# EAGLE board Mk4 Final a Panel score (EAGLE 9.0.1), part 6 of 24 (continued)
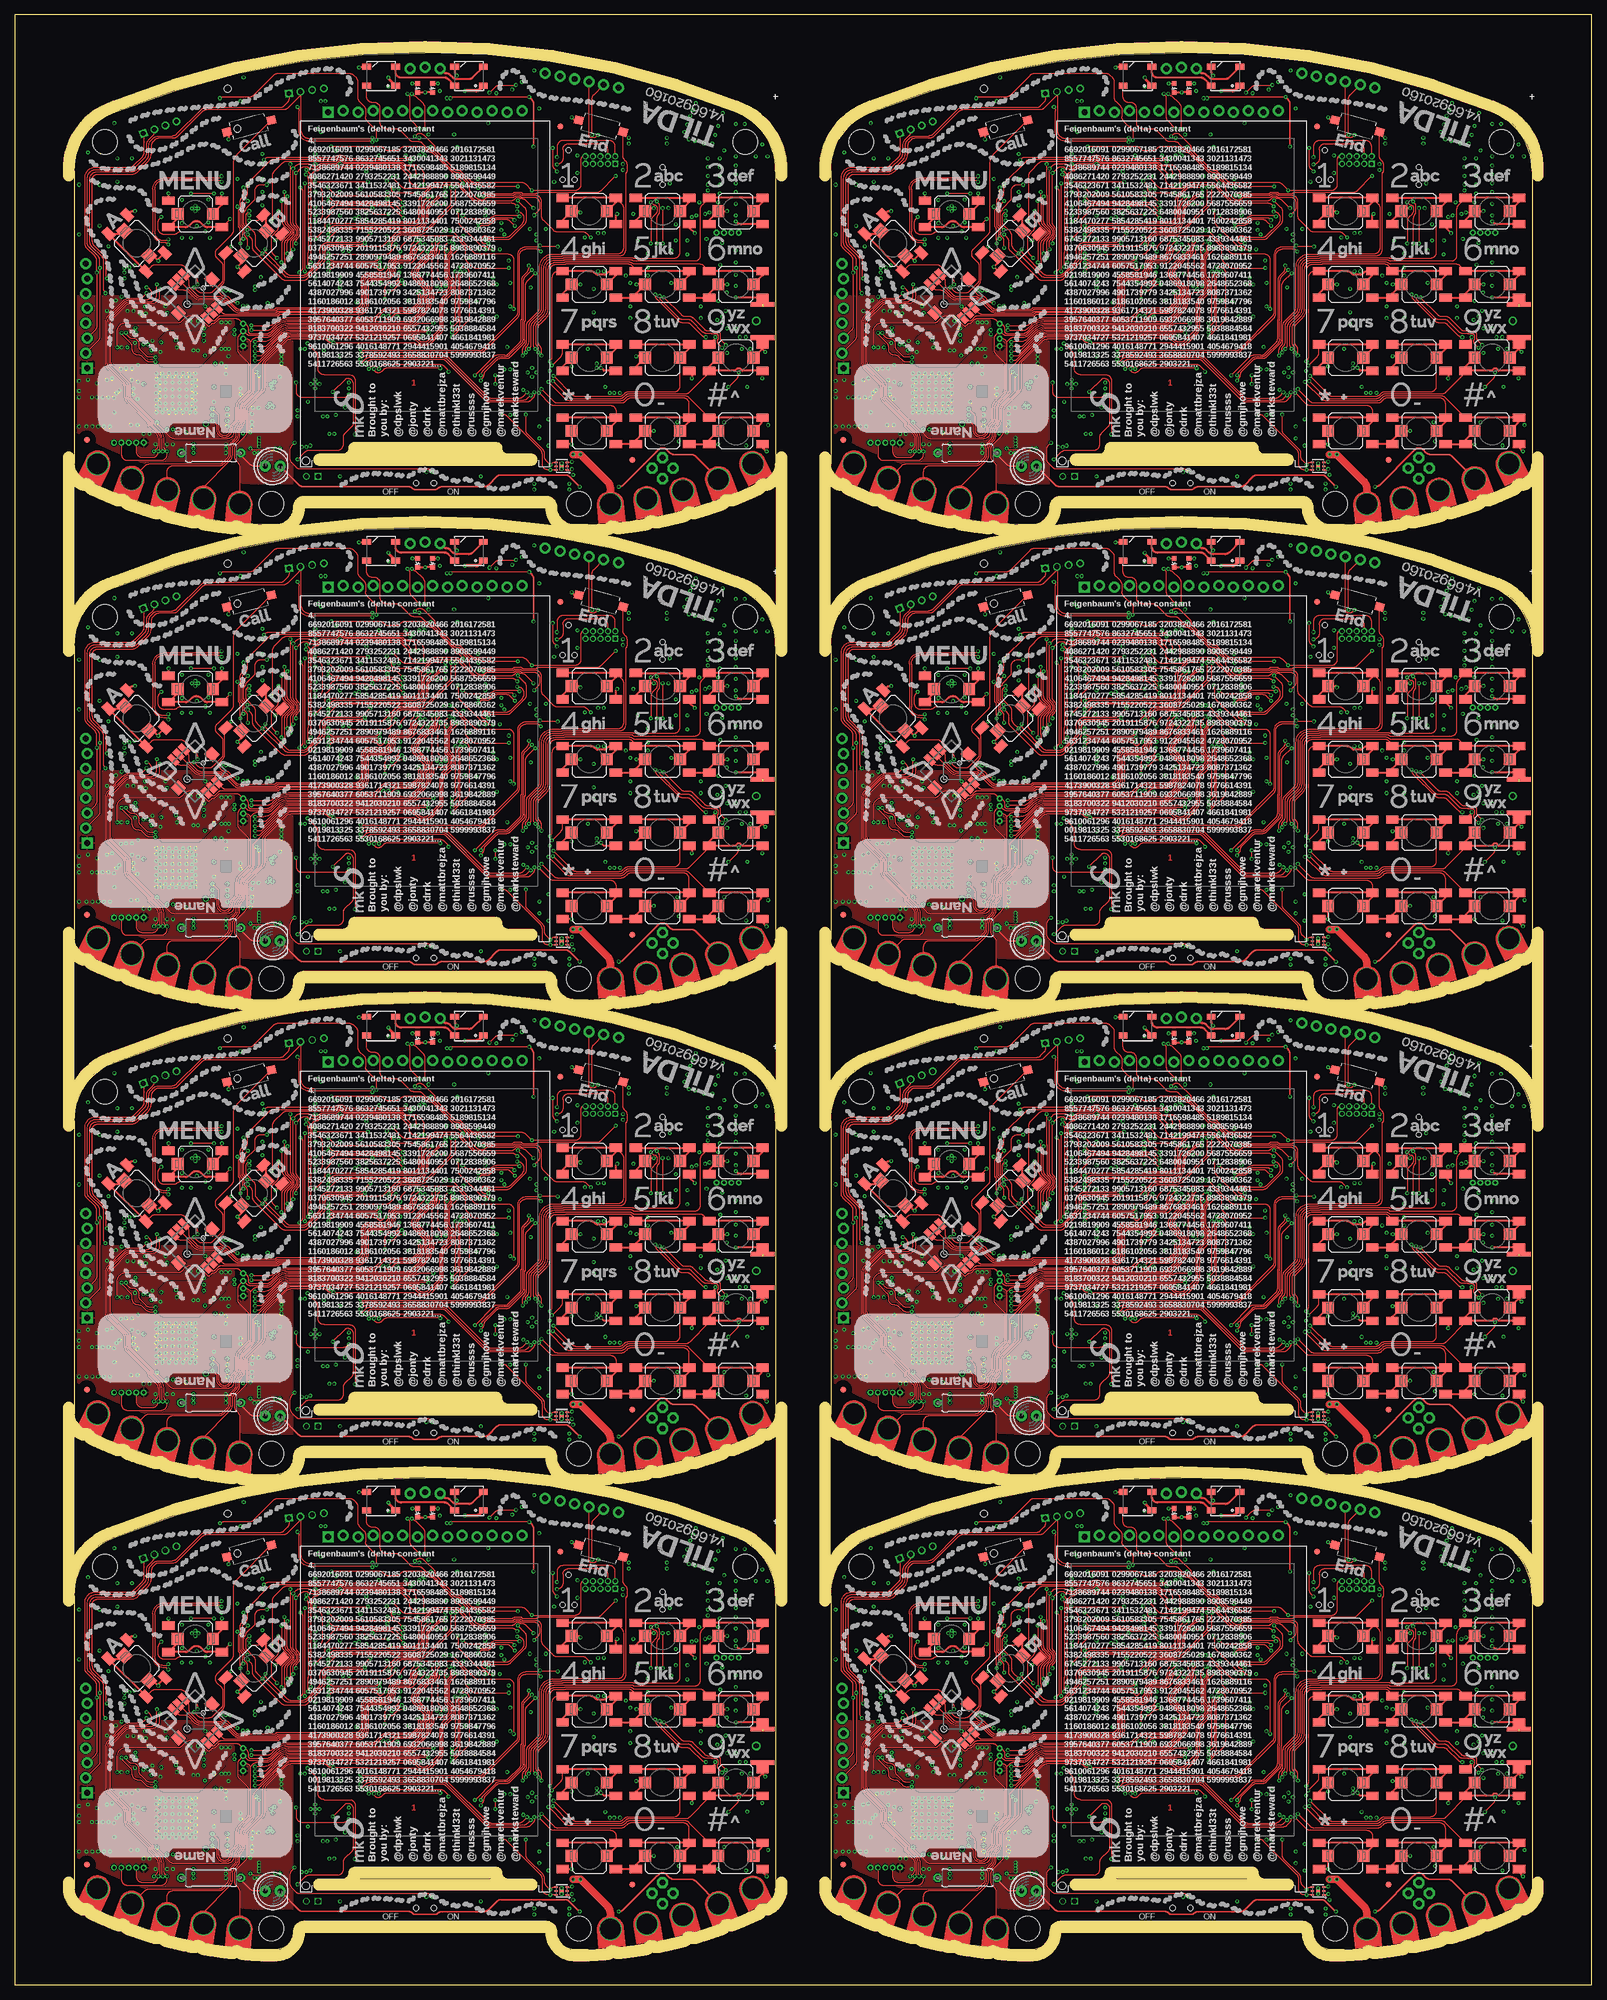
[diagram p0: board, top side]
## Tracks (layer width: path | path; a pad name or v marks a point on that pad's centre or on a via) (continued)
3V5  (via drill 0.3)
  Top 0.2: IC88.1 94.69,177.35 arc45 v95.05,177.5
  Top 0.3: SW5.COM 33.58,204.17 v32.5,205.25
  Bottom 0.15: v84.5,186.75 C534.1 84,187.5 arc-90 83.5,188 83.5,188.16 arc-90 IC86.5
  Bottom 0.2: IC74.9 73,211.75 C447.2 | IC74.8 73.4,214.19 arc-45 73.55,214.55 v73.75,214.75 73.8,214.7 IC74.7 | IC74.16 70.2,212.01 arc45 70.35,211.65 C446.2 v70.5,210.75 | IC74.47 61.46,220.4 arc45 C444.2 | IC74.113 78.14,220.8 arc45 78.84,221.09 C443.2 | IC74.79 69.4,229.44 arc45 69.11,230.14 C445.2 | IC74.69 65.4,227.86 arc-45 v65.25,227.5 65.15,227.6 arc-45 65,227.96 IC74.68 | 30.75,195.28 IC83.47 | IC74.90 73.8,227.55 v73.75,227.5 | IC74.51 v61,222 61.11,222.11 arc-45 61.81,222.4 IC74.52 | IC74.39 v63.5,217.2 | IC74.28 65.4,212.35 arc90 v65.75,212 arc90 66.2,212.45 IC74.26 | R327.1 v77.5,213.5 | IC74.122 76.62,217.2 arc-45 v76.5,217.25 | v95.05,177.5 C536.1 | IC74.101 78.95,225.6 v79.1,225.45 | R340.2 v82.75,215 | R339.2 83.07,217.32 arc-45 v83.5,217.5 | R378.1 18.5,207.5 arc-45 v18.25,206.9
  Bottom 0.25: J41.41 62.25,206 | J41.40 62.75,205.29 arc45 62.6,205.65 62.25,206 | J41.42 61.75,205.29 arc-45 61.9,205.65 62.25,206 | J41.35 v65.25,203.5 | J41.1 v82.25,203.5 | J41.8 v78.75,206 | J41.7 79.25,205.5 v78.75,206 | J41.9 78.25,205.5 v78.75,206 | C447.2 73.25,210.12 C448.2 73.5,209.62 v73.5,208.75 | v60,220.1 C444.2 | v80.25,221.75 C443.2 | v69,231 C445.2 | R322.2 v69,234 | R323.2 v60,228.25 | C521.1 30.16,196.5 arc45 29.46,196.21 arc45 29.25,195.71 IC83.44 | IC83.39 26.75,197.55 C522.1 | IC83.37 25.75,197.35 C520.1 | C523.1 v26,184.25 26.46,184.71 arc45 26.75,185.41 IC83.10 | C524.1 v34,191.5 33.9,191.6 arc45 33.54,191.75 IC83.54 | IC85.21 C455.2 | v84,198.3 R386.2 | JP39.8 72.35,239.71 arc45 72.5,240.06 C437.2 | IC82.6 31.12,219.03 v31.05,218.95 C509.1
  Bottom 0.3: 31.22,195.75 30.75,195.28 | R385.2 v19.25,198.25 | JP37.1 95.63,230.63 v96,231 | IC81.14 104.81,227.44 R368.2 C496.2 v103.75,228.5 | IC76.8 79.35,214.15 C436.2 v79.25,215 | R328.1 v88,208.5 | C462.2 52.43,210.25 IC73.27 52.33,210.25 v51.25,210.25 | v42.25,222.5 arc-45 41.77,222.3 IC73.43 39.8,222.3 C458.2 | v42.25,227 42.15,227.1 IC73.49 39.85,227.1 C461.2 | v51.25,229.5 IC73.3 C456.2 | v51.25,231.25 51.4,231.1 IC73.1 53.65,231.1 C460.2 | v51.25,224.75 51.3,224.7 IC73.9 53.7,224.7 C457.2 | v51.25,220.75 51.3,220.7 IC73.14 53.7,220.7 C459.2 | C477.2 v36,202.5 | C477.2 36.75,203 v36.75,202.5 | C477.2 35.25,203 v35.25,202.5 | v89,217.5 R362.2 | C535.1 R372.1 | R338.2 R337.2 v55.3,216.75 | C520.1 v24.85,197.5 | C438.2 78.89,236.61 JP39.11 | v90.6,218.45 C495.2 90.03,218.72 IC80.8 | J46.7 J46.3 | J48.7 J48.3 | IC89.5 C539.1 v88.6,175
  Bottom 0.4: 31.22,195.75 32.19,195.75 arc45 32.89,196.04 C525.1 33.6,197.39 arc-45 33.75,197.75 v34,198 | v31.25,197.75 31.25,197.66 arc-45 30.96,196.96 30.7,196.7 C521.1 30.5,196.7 v30.5,197.75 | C522.1 27.1,197.7 v27.65,198.25 | v36.25,187.75 R380.2 | v36.25,185.75 R381.2 | v26,204.15 26.5,204.15 arc90 27.5,205.15 C510.2 27.5,205.53 arc45 27.21,206.24 IC84.8 | R379.2 v22.25,205.25 | v84.5,194.5 C455.2 | v38.95,183.6 R372.1 | C478.2 v30.5,181 | C478.2 31,181.75 v30.5,181.75 | C478.2 31,180.25 v30.5,180.25 | IC90.1 97.05,178 C540.1 95.96,178 arc45 95.26,177.71 v95.05,177.5 | TP92.TP 43.55,189.95 v43.55,188.65
  Bottom 0.5: C439.2 87.14,238 JP39.14
  other vias: 62.5,209.25 43.15,188.15 43.95,188.15 44.3,192.35 44,191.35 43.7,191.95
  pour 3V3@2 (isolate 0.254, rank 6): 10.2,230.5 10.2,177 arc31 42,168 44.7,168 arc90 47.5,170.8 arc-90 49.5,172.8 90.5,172.8 arc-90 92.5,170.8 arc90 95.3,168 98,168 arc31 129.8,177 129.8,200.5 123.5,200.5 123.5,230.5 129.8,230.5 arc64 123.25,238.25 arc24 70,248.5 arc24 16.75,238.25 arc55
  pour Bottom (no thermals): 62.25,208 62.25,209.3 62.45,209.5 62.8,209.5 63,209.3 63,207.75 62.5,207.25 62.5,205.75 62,205.75 62,207.75
  pour Bottom (no thermals): 46.3,183.65 44.75,183.65 44.35,184.05 arc45 43.99,184.2 42.85,184.2 42.85,191.39 arc-45 43,191.75 43.85,192.6 arc-45 44.21,192.75 44.25,192.75 arc-90 44.75,192.25 44.75,192.11 arc-45 44.6,191.75 44.45,191.6 arc45 44.3,191.24 44.3,185.4 arc90 44.8,184.9 45.8,184.9 arc-90 46.3,184.4
  pour Top: 34.35,202.85 32.65,201.15 arc-45 32.29,201 26.41,201 arc45 25.71,200.71 24.79,199.79 arc45 24.5,199.09 24.5,196 arc90 25.5,195 31.09,195 arc45 31.79,195.29 35.71,199.21 arc45 36,199.91 36,200.29 arc-45 36.15,200.65 37.35,201.85 arc45 37.5,202.21 37.5,202.5 arc90 37,203 34.71,203 arc45
3V6  (via drill 0.3)
  Top 0.2: IC106.1 223.69,177.35 arc45 v224.05,177.5
  Top 0.3: SW6.COM 162.58,204.17 v161.5,205.25
  Bottom 0.15: v213.5,186.75 C642.1 213,187.5 arc-90 212.5,188 212.5,188.16 arc-90 IC104.5
  Bottom 0.2: IC92.9 202,211.75 C555.2 | IC92.8 202.4,214.19 arc-45 202.55,214.55 v202.75,214.75 202.8,214.7 IC92.7 | IC92.16 199.2,212.01 arc45 199.35,211.65 C554.2 v199.5,210.75 | IC92.47 190.46,220.4 arc45 C552.2 | IC92.113 207.14,220.8 arc45 207.84,221.09 C551.2 | IC92.79 198.4,229.44 arc45 198.11,230.14 C553.2 | IC92.69 194.4,227.86 arc-45 v194.25,227.5 194.15,227.6 arc-45 194,227.96 IC92.68 | 159.75,195.28 IC101.47 | IC92.90 202.8,227.55 v202.75,227.5 | IC92.51 v190,222 190.11,222.11 arc-45 190.81,222.4 IC92.52 | IC92.39 v192.5,217.2 | IC92.28 194.4,212.35 arc90 v194.75,212 arc90 195.2,212.45 IC92.26 | R405.1 v206.5,213.5 | IC92.122 205.62,217.2 arc-45 v205.5,217.25 | v224.05,177.5 C644.1 | IC92.101 207.95,225.6 v208.1,225.45 | R418.2 v211.75,215 | R417.2 212.07,217.32 arc-45 v212.5,217.5 | R456.1 147.5,207.5 arc-45 v147.25,206.9
  Bottom 0.25: J51.41 191.25,206 | J51.40 191.75,205.29 arc45 191.6,205.65 191.25,206 | J51.42 190.75,205.29 arc-45 190.9,205.65 191.25,206 | J51.35 v194.25,203.5 | J51.1 v211.25,203.5 | J51.8 v207.75,206 | J51.7 208.25,205.5 v207.75,206 | J51.9 207.25,205.5 v207.75,206 | C555.2 202.25,210.12 C556.2 202.5,209.62 v202.5,208.75 | v189,220.1 C552.2 | v209.25,221.75 C551.2 | v198,231 C553.2 | R400.2 v198,234 | R401.2 v189,228.25 | C629.1 159.16,196.5 arc45 158.46,196.21 arc45 158.25,195.71 IC101.44 | IC101.39 155.75,197.55 C630.1 | IC101.37 154.75,197.35 C628.1 | C631.1 v155,184.25 155.46,184.71 arc45 155.75,185.41 IC101.10 | C632.1 v163,191.5 162.9,191.6 arc45 162.54,191.75 IC101.54 | IC103.21 C563.2 | v213,198.3 R464.2 | JP48.8 201.35,239.71 arc45 201.5,240.06 C545.2 | IC100.6 160.12,219.03 v160.05,218.95 C617.1
  Bottom 0.3: 160.22,195.75 159.75,195.28 | R463.2 v148.25,198.25 | JP46.1 224.63,230.63 v225,231 | IC99.14 233.81,227.44 R446.2 C604.2 v232.75,228.5 | IC94.8 208.35,214.15 C544.2 v208.25,215 | R406.1 v217,208.5 | C570.2 181.43,210.25 IC91.27 181.33,210.25 v180.25,210.25 | v171.25,222.5 arc-45 170.77,222.3 IC91.43 168.8,222.3 C566.2 | v171.25,227 171.15,227.1 IC91.49 168.85,227.1 C569.2 | v180.25,229.5 IC91.3 C564.2 | v180.25,231.25 180.4,231.1 IC91.1 182.65,231.1 C568.2 | v180.25,224.75 180.3,224.7 IC91.9 182.7,224.7 C565.2 | v180.25,220.75 180.3,220.7 IC91.14 182.7,220.7 C567.2 | C585.2 v165,202.5 | C585.2 165.75,203 v165.75,202.5 | C585.2 164.25,203 v164.25,202.5 | v218,217.5 R440.2 | C643.1 R450.1 | R416.2 R415.2 v184.3,216.75 | C628.1 v153.85,197.5 | C546.2 207.89,236.61 JP48.11 | v219.6,218.45 C603.2 219.03,218.72 IC98.8 | J56.7 J56.3 | J58.7 J58.3 | IC107.5 C647.1 v217.6,175
  Bottom 0.4: 160.22,195.75 161.19,195.75 arc45 161.89,196.04 C633.1 162.6,197.39 arc-45 162.75,197.75 v163,198 | v160.25,197.75 160.25,197.66 arc-45 159.96,196.96 159.7,196.7 C629.1 159.5,196.7 v159.5,197.75 | C630.1 156.1,197.7 v156.65,198.25 | v165.25,187.75 R458.2 | v165.25,185.75 R459.2 | v155,204.15 155.5,204.15 arc90 156.5,205.15 C618.2 156.5,205.53 arc45 156.21,206.24 IC102.8 | R457.2 v151.25,205.25 | v213.5,194.5 C563.2 | v167.95,183.6 R450.1 | C586.2 v159.5,181 | C586.2 160,181.75 v159.5,181.75 | C586.2 160,180.25 v159.5,180.25 | IC108.1 226.05,178 C648.1 224.96,178 arc45 224.26,177.71 v224.05,177.5 | TP111.TP 172.55,189.95 v172.55,188.65
  Bottom 0.5: C547.2 216.14,238 JP48.14
  other vias: 191.5,209.25 172.15,188.15 172.95,188.15 173.3,192.35 173,191.35 172.7,191.95
  pour 3V3@2 (isolate 0.254, rank 6): 139.2,230.5 139.2,177 arc31 171,168 173.7,168 arc90 176.5,170.8 arc-90 178.5,172.8 219.5,172.8 arc-90 221.5,170.8 arc90 224.3,168 227,168 arc31 258.8,177 258.8,200.5 252.5,200.5 252.5,230.5 258.8,230.5 arc64 252.25,238.25 arc24 199,248.5 arc24 145.75,238.25 arc55
  pour Bottom (no thermals): 191.25,208 191.25,209.3 191.45,209.5 191.8,209.5 192,209.3 192,207.75 191.5,207.25 191.5,205.75 191,205.75 191,207.75
  pour Bottom (no thermals): 175.3,183.65 173.75,183.65 173.35,184.05 arc45 172.99,184.2 171.85,184.2 171.85,191.39 arc-45 172,191.75 172.85,192.6 arc-45 173.21,192.75 173.25,192.75 arc-90 173.75,192.25 173.75,192.11 arc-45 173.6,191.75 173.45,191.6 arc45 173.3,191.24 173.3,185.4 arc90 173.8,184.9 174.8,184.9 arc-90 175.3,184.4
  pour Top: 163.35,202.85 161.65,201.15 arc-45 161.29,201 155.41,201 arc45 154.71,200.71 153.79,199.79 arc45 153.5,199.09 153.5,196 arc90 154.5,195 160.09,195 arc45 160.79,195.29 164.71,199.21 arc45 165,199.91 165,200.29 arc-45 165.15,200.65 166.35,201.85 arc45 166.5,202.21 166.5,202.5 arc90 166,203 163.71,203 arc45
3V7  (via drill 0.3)
  Top 0.2: IC124.1 94.69,258.35 arc45 v95.05,258.5
  Top 0.3: SW7.COM 33.58,285.17 v32.5,286.25
  Bottom 0.15: v84.5,267.75 C750.1 84,268.5 arc-90 83.5,269 83.5,269.16 arc-90 IC122.5
  Bottom 0.2: IC110.9 73,292.75 C663.2 | IC110.8 73.4,295.19 arc-45 73.55,295.55 v73.75,295.75 73.8,295.7 IC110.7 | IC110.16 70.2,293.01 arc45 70.35,292.65 C662.2 v70.5,291.75 | IC110.47 61.46,301.4 arc45 C660.2 | IC110.113 78.14,301.8 arc45 78.84,302.09 C659.2 | IC110.79 69.4,310.44 arc45 69.11,311.14 C661.2 | IC110.69 65.4,308.86 arc-45 v65.25,308.5 65.15,308.6 arc-45 65,308.96 IC110.68 | 30.75,276.28 IC119.47 | IC110.90 73.8,308.55 v73.75,308.5 | IC110.51 v61,303 61.11,303.11 arc-45 61.81,303.4 IC110.52 | IC110.39 v63.5,298.2 | IC110.28 65.4,293.35 arc90 v65.75,293 arc90 66.2,293.45 IC110.26 | R483.1 v77.5,294.5 | IC110.122 76.62,298.2 arc-45 v76.5,298.25 | v95.05,258.5 C752.1 | IC110.101 78.95,306.6 v79.1,306.45 | R496.2 v82.75,296 | R495.2 83.07,298.32 arc-45 v83.5,298.5 | R534.1 18.5,288.5 arc-45 v18.25,287.9
  Bottom 0.25: J61.41 62.25,287 | J61.40 62.75,286.29 arc45 62.6,286.65 62.25,287 | J61.42 61.75,286.29 arc-45 61.9,286.65 62.25,287 | J61.35 v65.25,284.5 | J61.1 v82.25,284.5 | J61.8 v78.75,287 | J61.7 79.25,286.5 v78.75,287 | J61.9 78.25,286.5 v78.75,287 | C663.2 73.25,291.12 C664.2 73.5,290.62 v73.5,289.75 | v60,301.1 C660.2 | v80.25,302.75 C659.2 | v69,312 C661.2 | R478.2 v69,315 | R479.2 v60,309.25 | C737.1 30.16,277.5 arc45 29.46,277.21 arc45 29.25,276.71 IC119.44 | IC119.39 26.75,278.55 C738.1 | IC119.37 25.75,278.35 C736.1 | C739.1 v26,265.25 26.46,265.71 arc45 26.75,266.41 IC119.10 | C740.1 v34,272.5 33.9,272.6 arc45 33.54,272.75 IC119.54 | IC121.21 C671.2 | v84,279.3 R542.2 | JP57.8 72.35,320.71 arc45 72.5,321.06 C653.2 | IC118.6 31.12,300.02 v31.05,299.95 C725.1
  Bottom 0.3: 31.22,276.75 30.75,276.28 | R541.2 v19.25,279.25 | JP55.1 95.63,311.63 v96,312 | IC117.14 104.81,308.44 R524.2 C712.2 v103.75,309.5 | IC112.8 79.35,295.15 C652.2 v79.25,296 | R484.1 v88,289.5 | C678.2 52.43,291.25 IC109.27 52.33,291.25 v51.25,291.25 | v42.25,303.5 arc-45 41.77,303.3 IC109.43 39.8,303.3 C674.2 | v42.25,308 42.15,308.1 IC109.49 39.85,308.1 C677.2 | v51.25,310.5 IC109.3 C672.2 | v51.25,312.25 51.4,312.1 IC109.1 53.65,312.1 C676.2 | v51.25,305.75 51.3,305.7 IC109.9 53.7,305.7 C673.2 | v51.25,301.75 51.3,301.7 IC109.14 53.7,301.7 C675.2 | C693.2 v36,283.5 | C693.2 36.75,284 v36.75,283.5 | C693.2 35.25,284 v35.25,283.5 | v89,298.5 R518.2 | C751.1 R528.1 | R494.2 R493.2 v55.3,297.75 | C736.1 v24.85,278.5 | C654.2 78.89,317.61 JP57.11 | v90.6,299.45 C711.2 90.03,299.73 IC116.8 | J66.7 J66.3 | J68.7 J68.3 | IC125.5 C755.1 v88.6,256
  Bottom 0.4: 31.22,276.75 32.19,276.75 arc45 32.89,277.04 C741.1 33.6,278.39 arc-45 33.75,278.75 v34,279 | v31.25,278.75 31.25,278.66 arc-45 30.96,277.96 30.7,277.7 C737.1 30.5,277.7 v30.5,278.75 | C738.1 27.1,278.7 v27.65,279.25 | v36.25,268.75 R536.2 | v36.25,266.75 R537.2 | v26,285.15 26.5,285.15 arc90 27.5,286.15 C726.2 27.5,286.53 arc45 27.21,287.24 IC120.8 | R535.2 v22.25,286.25 | v84.5,275.5 C671.2 | v38.95,264.6 R528.1 | C694.2 v30.5,262 | C694.2 31,262.75 v30.5,262.75 | C694.2 31,261.25 v30.5,261.25 | IC126.1 97.05,259 C756.1 95.96,259 arc45 95.26,258.71 v95.05,258.5 | TP130.TP 43.55,270.95 v43.55,269.65
  Bottom 0.5: C655.2 87.14,319 JP57.14
  other vias: 62.5,290.25 43.15,269.15 43.95,269.15 44.3,273.35 44,272.35 43.7,272.95
  pour 3V3@2 (isolate 0.254, rank 6): 10.2,311.5 10.2,258 arc31 42,249 44.7,249 arc90 47.5,251.8 arc-90 49.5,253.8 90.5,253.8 arc-90 92.5,251.8 arc90 95.3,249 98,249 arc31 129.8,258 129.8,281.5 123.5,281.5 123.5,311.5 129.8,311.5 arc64 123.25,319.25 arc24 70,329.5 arc24 16.75,319.25 arc55
  pour Bottom (no thermals): 62.25,289 62.25,290.3 62.45,290.5 62.8,290.5 63,290.3 63,288.75 62.5,288.25 62.5,286.75 62,286.75 62,288.75
  pour Bottom (no thermals): 46.3,264.65 44.75,264.65 44.35,265.05 arc45 43.99,265.2 42.85,265.2 42.85,272.39 arc-45 43,272.75 43.85,273.6 arc-45 44.21,273.75 44.25,273.75 arc-90 44.75,273.25 44.75,273.11 arc-45 44.6,272.75 44.45,272.6 arc45 44.3,272.24 44.3,266.4 arc90 44.8,265.9 45.8,265.9 arc-90 46.3,265.4
  pour Top: 34.35,283.85 32.65,282.15 arc-45 32.29,282 26.41,282 arc45 25.71,281.71 24.79,280.79 arc45 24.5,280.09 24.5,277 arc90 25.5,276 31.09,276 arc45 31.79,276.29 35.71,280.21 arc45 36,280.91 36,281.29 arc-45 36.15,281.65 37.35,282.85 arc45 37.5,283.21 37.5,283.5 arc90 37,284 34.71,284 arc45
3V8  (via drill 0.3)
  Top 0.2: IC142.1 223.69,258.35 arc45 v224.05,258.5
  Top 0.3: SW8.COM 162.58,285.17 v161.5,286.25
  Bottom 0.15: v213.5,267.75 C858.1 213,268.5 arc-90 212.5,269 212.5,269.16 arc-90 IC140.5
  Bottom 0.2: IC128.9 202,292.75 C771.2 | IC128.8 202.4,295.19 arc-45 202.55,295.55 v202.75,295.75 202.8,295.7 IC128.7 | IC128.16 199.2,293.01 arc45 199.35,292.65 C770.2 v199.5,291.75 | IC128.47 190.46,301.4 arc45 C768.2 | IC128.113 207.14,301.8 arc45 207.84,302.09 C767.2 | IC128.79 198.4,310.44 arc45 198.11,311.14 C769.2 | IC128.69 194.4,308.86 arc-45 v194.25,308.5 194.15,308.6 arc-45 194,308.96 IC128.68 | 159.75,276.28 IC137.47 | IC128.90 202.8,308.55 v202.75,308.5 | IC128.51 v190,303 190.11,303.11 arc-45 190.81,303.4 IC128.52 | IC128.39 v192.5,298.2 | IC128.28 194.4,293.35 arc90 v194.75,293 arc90 195.2,293.45 IC128.26 | R561.1 v206.5,294.5 | IC128.122 205.62,298.2 arc-45 v205.5,298.25 | v224.05,258.5 C860.1 | IC128.101 207.95,306.6 v208.1,306.45 | R574.2 v211.75,296 | R573.2 212.07,298.32 arc-45 v212.5,298.5 | R612.1 147.5,288.5 arc-45 v147.25,287.9
  Bottom 0.25: J71.41 191.25,287 | J71.40 191.75,286.29 arc45 191.6,286.65 191.25,287 | J71.42 190.75,286.29 arc-45 190.9,286.65 191.25,287 | J71.35 v194.25,284.5 | J71.1 v211.25,284.5 | J71.8 v207.75,287 | J71.7 208.25,286.5 v207.75,287 | J71.9 207.25,286.5 v207.75,287 | C771.2 202.25,291.12 C772.2 202.5,290.62 v202.5,289.75 | v189,301.1 C768.2 | v209.25,302.75 C767.2 | v198,312 C769.2 | R556.2 v198,315 | R557.2 v189,309.25 | C845.1 159.16,277.5 arc45 158.46,277.21 arc45 158.25,276.71 IC137.44 | IC137.39 155.75,278.55 C846.1 | IC137.37 154.75,278.35 C844.1 | C847.1 v155,265.25 155.46,265.71 arc45 155.75,266.41 IC137.10 | C848.1 v163,272.5 162.9,272.6 arc45 162.54,272.75 IC137.54 | IC139.21 C779.2 | v213,279.3 R620.2 | JP66.8 201.35,320.71 arc45 201.5,321.06 C761.2 | IC136.6 160.12,300.02 v160.05,299.95 C833.1
  Bottom 0.3: 160.22,276.75 159.75,276.28 | R619.2 v148.25,279.25 | JP64.1 224.63,311.63 v225,312 | IC135.14 233.81,308.44 R602.2 C820.2 v232.75,309.5 | IC130.8 208.35,295.15 C760.2 v208.25,296 | R562.1 v217,289.5 | C786.2 181.43,291.25 IC127.27 181.33,291.25 v180.25,291.25 | v171.25,303.5 arc-45 170.77,303.3 IC127.43 168.8,303.3 C782.2 | v171.25,308 171.15,308.1 IC127.49 168.85,308.1 C785.2 | v180.25,310.5 IC127.3 C780.2 | v180.25,312.25 180.4,312.1 IC127.1 182.65,312.1 C784.2 | v180.25,305.75 180.3,305.7 IC127.9 182.7,305.7 C781.2 | v180.25,301.75 180.3,301.7 IC127.14 182.7,301.7 C783.2 | C801.2 v165,283.5 | C801.2 165.75,284 v165.75,283.5 | C801.2 164.25,284 v164.25,283.5 | v218,298.5 R596.2 | C859.1 R606.1 | R572.2 R571.2 v184.3,297.75 | C844.1 v153.85,278.5 | C762.2 207.89,317.61 JP66.11 | v219.6,299.45 C819.2 219.03,299.73 IC134.8 | J76.7 J76.3 | J78.7 J78.3 | IC143.5 C863.1 v217.6,256
  Bottom 0.4: 160.22,276.75 161.19,276.75 arc45 161.89,277.04 C849.1 162.6,278.39 arc-45 162.75,278.75 v163,279 | v160.25,278.75 160.25,278.66 arc-45 159.96,277.96 159.7,277.7 C845.1 159.5,277.7 v159.5,278.75 | C846.1 156.1,278.7 v156.65,279.25 | v165.25,268.75 R614.2 | v165.25,266.75 R615.2 | v155,285.15 155.5,285.15 arc90 156.5,286.15 C834.2 156.5,286.53 arc45 156.21,287.24 IC138.8 | R613.2 v151.25,286.25 | v213.5,275.5 C779.2 | v167.95,264.6 R606.1 | C802.2 v159.5,262 | C802.2 160,262.75 v159.5,262.75 | C802.2 160,261.25 v159.5,261.25 | IC144.1 226.05,259 C864.1 224.96,259 arc45 224.26,258.71 v224.05,258.5 | TP149.TP 172.55,270.95 v172.55,269.65
  Bottom 0.5: C763.2 216.14,319 JP66.14
  other vias: 191.5,290.25 172.15,269.15 172.95,269.15 173.3,273.35 173,272.35 172.7,272.95
  pour 3V3@2 (isolate 0.254, rank 6): 139.2,311.5 139.2,258 arc31 171,249 173.7,249 arc90 176.5,251.8 arc-90 178.5,253.8 219.5,253.8 arc-90 221.5,251.8 arc90 224.3,249 227,249 arc31 258.8,258 258.8,281.5 252.5,281.5 252.5,311.5 258.8,311.5 arc64 252.25,319.25 arc24 199,329.5 arc24 145.75,319.25 arc55
  pour Bottom (no thermals): 191.25,289 191.25,290.3 191.45,290.5 191.8,290.5 192,290.3 192,288.75 191.5,288.25 191.5,286.75 191,286.75 191,288.75
  pour Bottom (no thermals): 175.3,264.65 173.75,264.65 173.35,265.05 arc45 172.99,265.2 171.85,265.2 171.85,272.39 arc-45 172,272.75 172.85,273.6 arc-45 173.21,273.75 173.25,273.75 arc-90 173.75,273.25 173.75,273.11 arc-45 173.6,272.75 173.45,272.6 arc45 173.3,272.24 173.3,266.4 arc90 173.8,265.9 174.8,265.9 arc-90 175.3,265.4
  pour Top: 163.35,283.85 161.65,282.15 arc-45 161.29,282 155.41,282 arc45 154.71,281.71 153.79,280.79 arc45 153.5,280.09 153.5,277 arc90 154.5,276 160.09,276 arc45 160.79,276.29 164.71,280.21 arc45 165,280.91 165,281.29 arc-45 165.15,281.65 166.35,282.85 arc45 166.5,283.21 166.5,283.5 arc90 166,284 163.71,284 arc45
!HIB
  Bottom 0.2: IC1.65 63.8,67.24 arc45 63.65,67.6 63.6,67.65 arc90 62.9,67.65 62.4,67.15 TP1.TP
!HIB1
  Bottom 0.2: IC20.65 192.8,67.24 arc45 192.65,67.6 192.6,67.65 arc90 191.9,67.65 191.4,67.15 TP20.TP
!HIB2
  Bottom 0.2: IC38.65 63.8,148.24 arc45 63.65,148.6 63.6,148.65 arc90 62.9,148.65 62.4,148.15 TP39.TP
!HIB3
  Bottom 0.2: IC56.65 192.8,148.24 arc45 192.65,148.6 192.6,148.65 arc90 191.9,148.65 191.4,148.15 TP58.TP
!HIB4
  Bottom 0.2: IC74.65 63.8,229.24 arc45 63.65,229.6 63.6,229.65 arc90 62.9,229.65 62.4,229.15 TP77.TP
!HIB5
  Bottom 0.2: IC92.65 192.8,229.24 arc45 192.65,229.6 192.6,229.65 arc90 191.9,229.65 191.4,229.15 TP96.TP
!HIB6
  Bottom 0.2: IC110.65 63.8,310.24 arc45 63.65,310.6 63.6,310.65 arc90 62.9,310.65 62.4,310.15 TP115.TP
!HIB7
  Bottom 0.2: IC128.65 192.8,310.24 arc45 192.65,310.6 192.6,310.65 arc90 191.9,310.65 191.4,310.15 TP134.TP
!RESET  (via drill 0.3)
  Top 0.15: v87.7,50.2 87.7,49.81 arc-45 87.41,49.11 86.82,48.52 arc45 86.53,47.81 86.53,41.15 arc-45 86.5,41.08 86.43,41.01 arc45 86.4,40.94 86.4,37.76 arc-45 86.11,37.06 84.24,35.19 arc-45 83.54,34.9 82.31,34.9 arc45 81.61,34.61 v78.5,31.5
  Top 0.2: J3.10 96.84,68.84 arc45 96.6,68.27 96.6,64.05 arc-90 95.6,63.05 v88.2,63.05 87.19,64.06 arc45 86.49,64.35 78.46,64.35 arc-45 77.75,64.64 76.14,66.25 arc45 75.79,66.4 75.67,66.4 arc-45 74.96,66.69 72.02,69.63 arc-45 71.73,70.34 arc45 71.6,70.65 69.83,72.42 arc90 68.42,72.42 v68.25,72.25
  3V3@2 0.15: v88.2,63.05 88.2,60.8 86.62,59.23 86.62,58.38 86.5,58.26 86.5,52.65 87.7,51.45 v87.7,50.2
  Bottom 0.15: IC1.70 65.8,67.59 arc-45 65.95,67.95 66.25,68.25 arc-45 66.61,68.4 66.79,68.4 arc45 67.15,68.55 67.85,69.25 arc45 68,69.61 C15.2 | R4.1 68,71.79 arc-45 68.15,72.15 v68.25,72.25 | v78.5,31.5 78.5,25.82 arc45 79.01,24.59 84.09,19.51 arc45 85.33,19 88.45,19 arc-90 89.7,17.75 89.7,16.16 arc-45 89.41,15.46 88.41,14.46 arc-45 88.27,14.4 87.56,14.4 arc45 87.42,14.34 87.38,14.31 arc-45 87.24,14.25 S19.2
  Bottom 0.2: C15.2 R4.1
!RESET1  (via drill 0.3)
  Top 0.15: v216.7,50.2 216.7,49.81 arc-45 216.41,49.11 215.82,48.52 arc45 215.53,47.81 215.53,41.15 arc-45 215.5,41.08 215.43,41.01 arc45 215.4,40.94 215.4,37.76 arc-45 215.11,37.06 213.24,35.19 arc-45 212.54,34.9 211.31,34.9 arc45 210.61,34.61 v207.5,31.5
  Top 0.2: J13.10 225.84,68.84 arc45 225.6,68.27 225.6,64.05 arc-90 224.6,63.05 v217.2,63.05 216.19,64.06 arc45 215.49,64.35 207.46,64.35 arc-45 206.75,64.64 205.14,66.25 arc45 204.79,66.4 204.67,66.4 arc-45 203.96,66.69 201.02,69.63 arc-45 200.73,70.34 arc45 200.6,70.65 198.83,72.42 arc90 197.42,72.42 v197.25,72.25
  3V3@2 0.15: v217.2,63.05 217.2,60.8 215.62,59.23 215.62,58.38 215.5,58.26 215.5,52.65 216.7,51.45 v216.7,50.2
  Bottom 0.15: IC20.70 194.8,67.59 arc-45 194.95,67.95 195.25,68.25 arc-45 195.61,68.4 195.79,68.4 arc45 196.15,68.55 196.85,69.25 arc45 197,69.61 C125.2 | R88.1 197,71.79 arc-45 197.15,72.15 v197.25,72.25 | v207.5,31.5 207.5,25.82 arc45 208.01,24.59 213.09,19.51 arc45 214.32,19 217.45,19 arc-90 218.7,17.75 218.7,16.16 arc-45 218.41,15.46 217.41,14.46 arc-45 217.27,14.4 216.56,14.4 arc45 216.42,14.34 216.38,14.31 arc-45 216.24,14.25 S40.2
  Bottom 0.2: C125.2 R88.1
!RESET2  (via drill 0.3)
  Top 0.15: v87.7,131.2 87.7,130.81 arc-45 87.41,130.11 86.82,129.52 arc45 86.53,128.81 86.53,122.15 arc-45 86.5,122.08 86.43,122.01 arc45 86.4,121.94 86.4,118.76 arc-45 86.11,118.06 84.24,116.19 arc-45 83.54,115.9 82.31,115.9 arc45 81.61,115.61 v78.5,112.5
  Top 0.2: J23.10 96.84,149.84 arc45 96.6,149.27 96.6,145.05 arc-90 95.6,144.05 v88.2,144.05 87.19,145.06 arc45 86.49,145.35 78.46,145.35 arc-45 77.75,145.64 76.14,147.25 arc45 75.79,147.4 75.67,147.4 arc-45 74.96,147.69 72.02,150.63 arc-45 71.73,151.34 arc45 71.6,151.65 69.83,153.42 arc90 68.42,153.42 v68.25,153.25
  3V3@2 0.15: v88.2,144.05 88.2,141.8 86.62,140.22 86.62,139.38 86.5,139.26 86.5,133.65 87.7,132.45 v87.7,131.2
  Bottom 0.15: IC38.70 65.8,148.59 arc-45 65.95,148.95 66.25,149.25 arc-45 66.61,149.4 66.79,149.4 arc45 67.15,149.55 67.85,150.25 arc45 68,150.61 C233.2 | R166.1 68,152.79 arc-45 68.15,153.15 v68.25,153.25 | v78.5,112.5 78.5,106.83 arc45 79.01,105.59 84.09,100.51 arc45 85.33,100 88.45,100 arc-90 89.7,98.75 89.7,97.16 arc-45 89.41,96.46 88.41,95.46 arc-45 88.27,95.4 87.56,95.4 arc45 87.42,95.34 87.38,95.31 arc-45 87.24,95.25 S61.2
  Bottom 0.2: C233.2 R166.1
!RESET3  (via drill 0.3)
  Top 0.15: v216.7,131.2 216.7,130.81 arc-45 216.41,130.11 215.82,129.52 arc45 215.53,128.81 215.53,122.15 arc-45 215.5,122.08 215.43,122.01 arc45 215.4,121.94 215.4,118.76 arc-45 215.11,118.06 213.24,116.19 arc-45 212.54,115.9 211.31,115.9 arc45 210.61,115.61 v207.5,112.5
  Top 0.2: J33.10 225.84,149.84 arc45 225.6,149.27 225.6,145.05 arc-90 224.6,144.05 v217.2,144.05 216.19,145.06 arc45 215.49,145.35 207.46,145.35 arc-45 206.75,145.64 205.14,147.25 arc45 204.79,147.4 204.67,147.4 arc-45 203.96,147.69 201.02,150.63 arc-45 200.73,151.34 arc45 200.6,151.65 198.83,153.42 arc90 197.42,153.42 v197.25,153.25
  3V3@2 0.15: v217.2,144.05 217.2,141.8 215.62,140.22 215.62,139.38 215.5,139.26 215.5,133.65 216.7,132.45 v216.7,131.2
  Bottom 0.15: IC56.70 194.8,148.59 arc-45 194.95,148.95 195.25,149.25 arc-45 195.61,149.4 195.79,149.4 arc45 196.15,149.55 196.85,150.25 arc45 197,150.61 C341.2 | R244.1 197,152.79 arc-45 197.15,153.15 v197.25,153.25 | v207.5,112.5 207.5,106.83 arc45 208.01,105.59 213.09,100.51 arc45 214.32,100 217.45,100 arc-90 218.7,98.75 218.7,97.16 arc-45 218.41,96.46 217.41,95.46 arc-45 217.27,95.4 216.56,95.4 arc45 216.42,95.34 216.38,95.31 arc-45 216.24,95.25 S82.2
  Bottom 0.2: C341.2 R244.1
!RESET4  (via drill 0.3)
  Top 0.15: v87.7,212.2 87.7,211.81 arc-45 87.41,211.11 86.82,210.52 arc45 86.53,209.81 86.53,203.15 arc-45 86.5,203.08 86.43,203.01 arc45 86.4,202.94 86.4,199.76 arc-45 86.11,199.06 84.24,197.19 arc-45 83.54,196.9 82.31,196.9 arc45 81.61,196.61 v78.5,193.5
  Top 0.2: J43.10 96.84,230.84 arc45 96.6,230.27 96.6,226.05 arc-90 95.6,225.05 v88.2,225.05 87.19,226.06 arc45 86.49,226.35 78.46,226.35 arc-45 77.75,226.64 76.14,228.25 arc45 75.79,228.4 75.67,228.4 arc-45 74.96,228.69 72.02,231.63 arc-45 71.73,232.34 arc45 71.6,232.65 69.83,234.42 arc90 68.42,234.42 v68.25,234.25
  3V3@2 0.15: v88.2,225.05 88.2,222.8 86.62,221.22 86.62,220.38 86.5,220.26 86.5,214.65 87.7,213.45 v87.7,212.2